# Altium PCB norbi_lm_#1.PcbDoc (part 5 of 5) (continued)
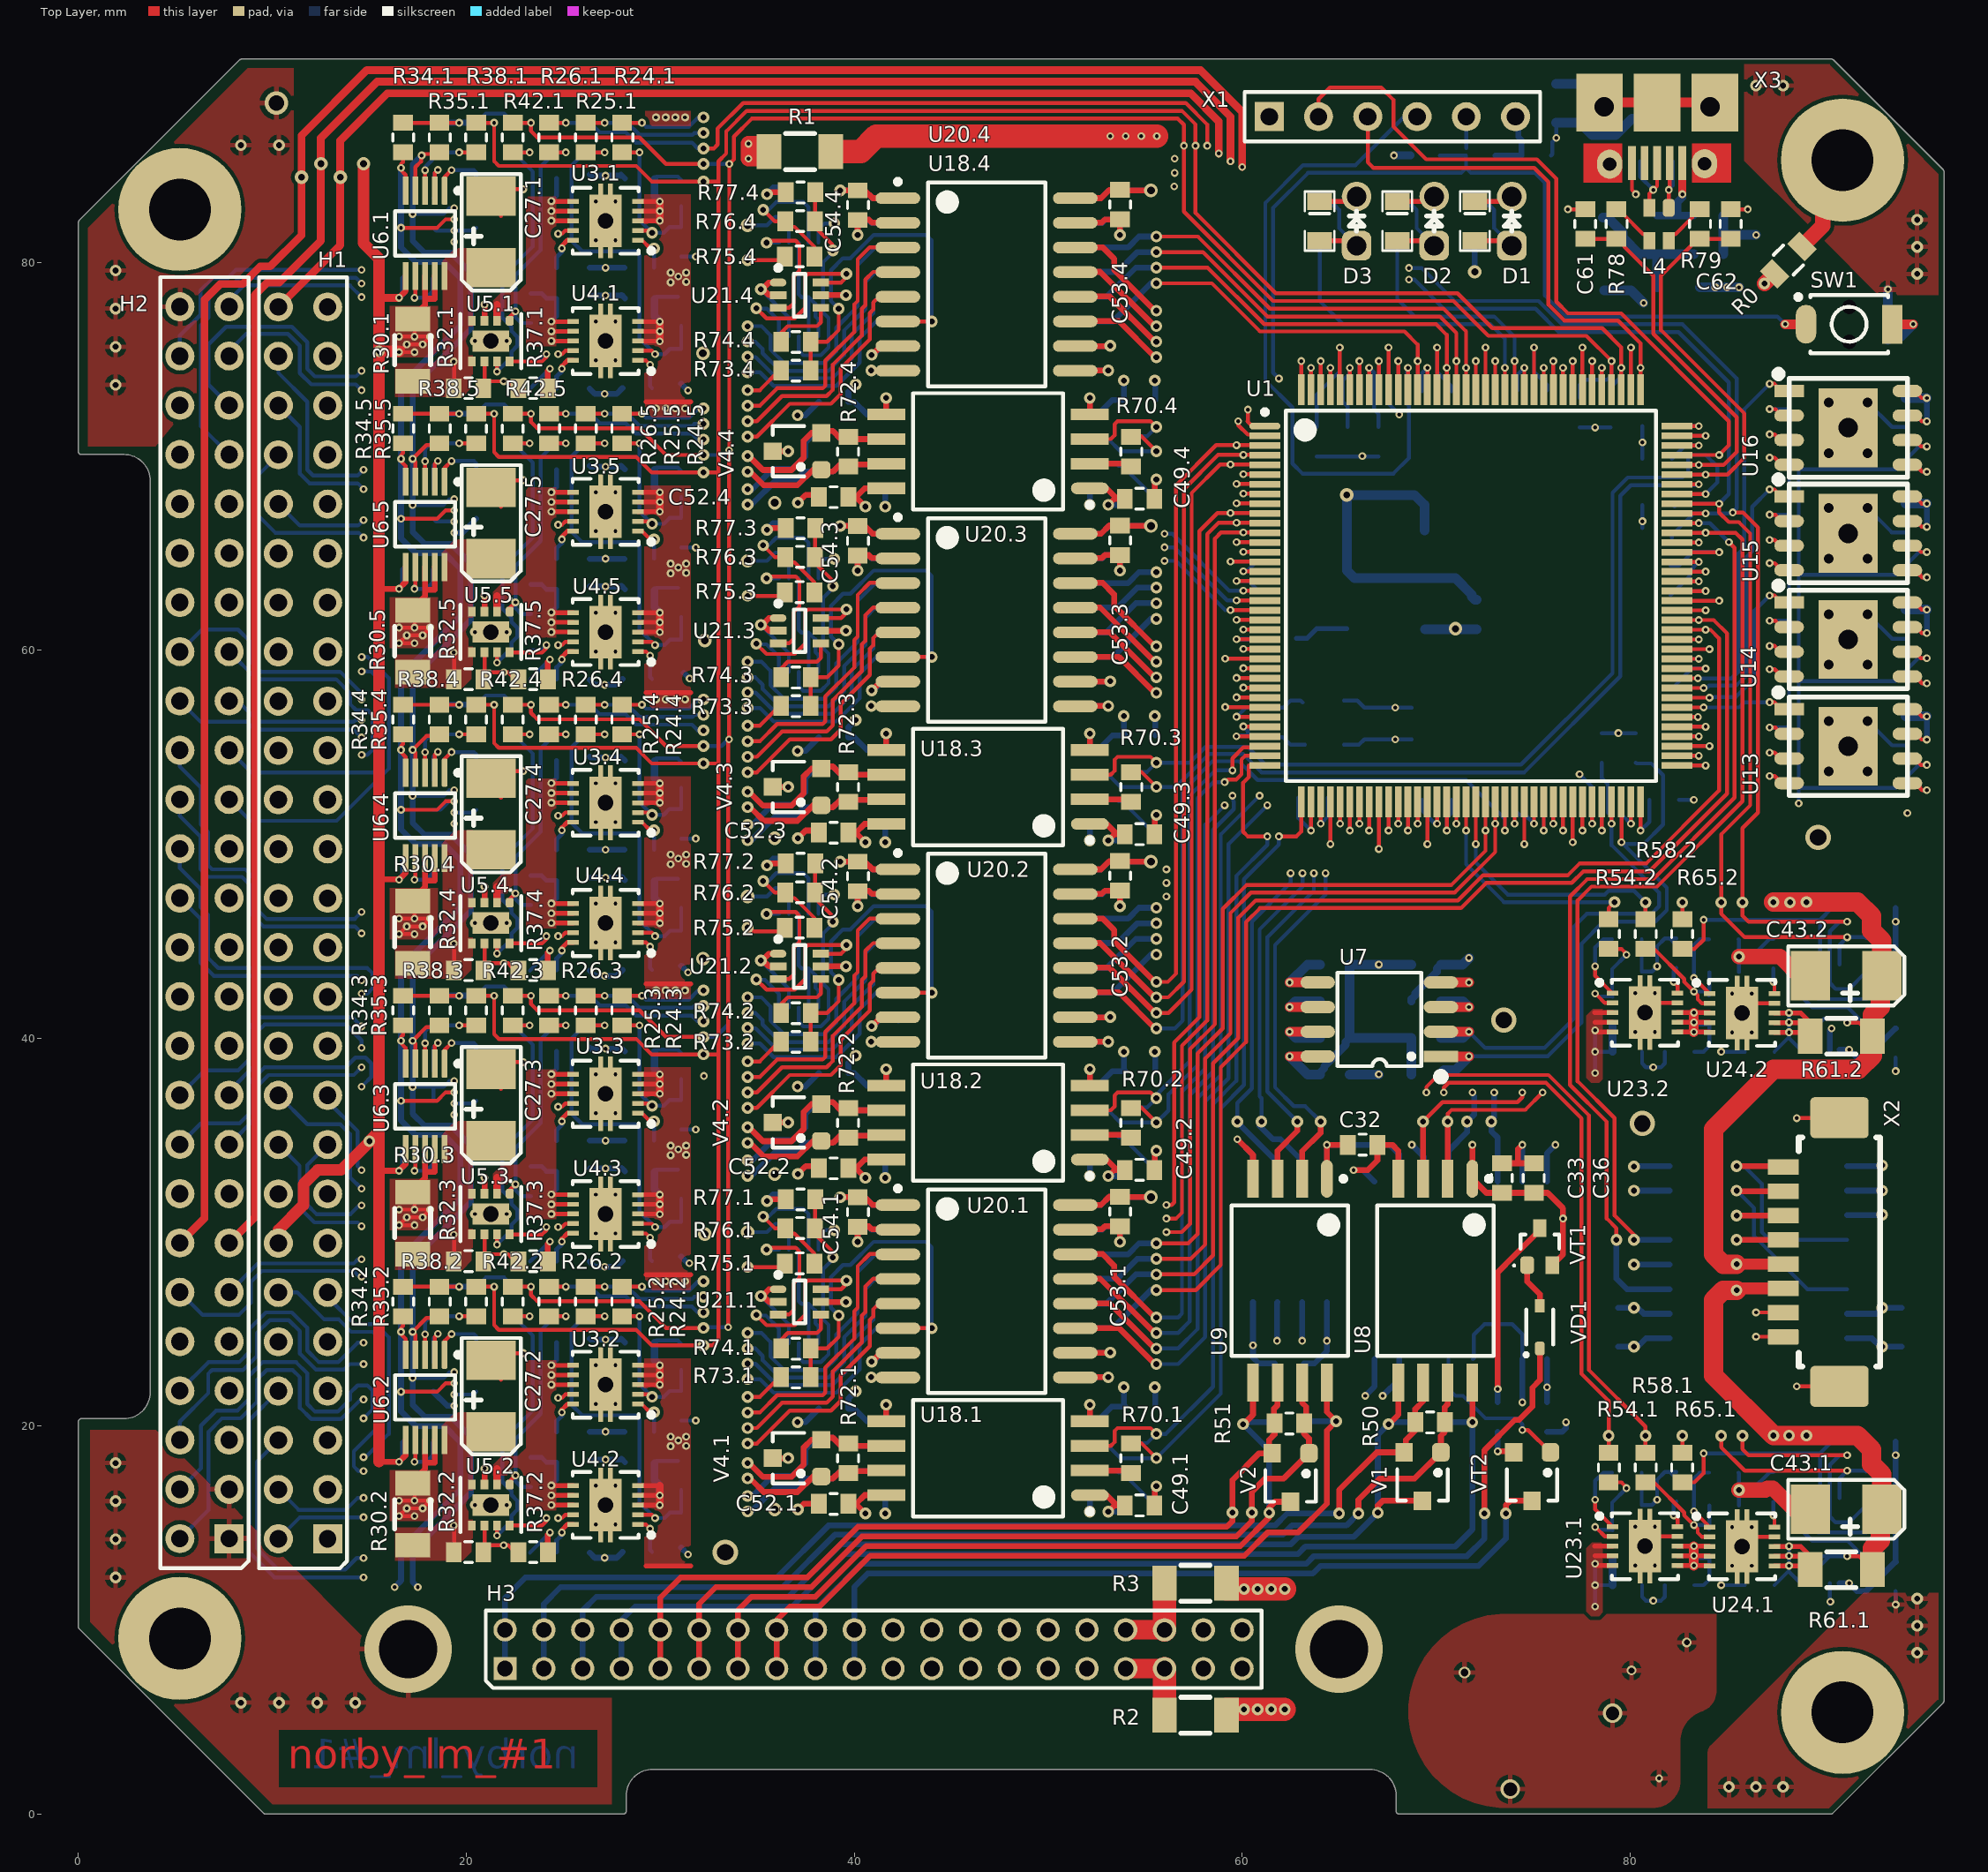
[diagram p0: Top Layer view]
## Nets (pads, with @x,y where several pads share a name; then routed paths per layer and width w, separated by ;. In a path a pad name is that pad's centre, name@x,y a point inside that pad or via, vN(x,y) a via of type N, cw(c..) or ccw(c..) an arc to the next point about the centre after c; other vN are vias at no path point) (continued)
  Top Layer w0.3: v2@85.35,32.14 v2@85.39,32.1 ; v2@85.54,32.1 X2.7@87.9,32.1
  Bottom Layer w0.2: v2(85.5,32.14) 86.4,31.24 86.4,29.8 89.14,27.06 U2.14@91.2,27.06
UART_TX_PL1.1A: R70.1.2 U1.36 U17.1.2 | length 44.5
  Top Layer w0.2: 52.15,18.98 53.23,18.98 53.423,19.173 53.423,19.745 53.578,19.9 55.278,19.9 v2(55.578,19.6) ; U1.36@61.175,54.05 60.34,54.05 60.34,53.452 60.05,53.162 60.05,50.64 60.29,50.4 v1(61.3,50.4)
  Bottom Layer w0.2: 54.7,19.124 55.102,19.124 v2(55.578,19.6) 56.072,19.6 58.5,22.028 58.5,36.6 59.7,37.8 59.7,48.36 61.3,49.96 v1(61.3,50.4)
UART_TX_PL1.1B: R70.2.2 U1.34 U17.2.2 | length 27
  Top Layer w0.2: 52.15,36.28 53.23,36.28 53.423,36.473 53.423,37.045 53.578,37.2 55.278,37.2 v2(55.578,36.9) ; v1(59.5,53.8) 59.5,54.423 60.072,54.995 61.12,54.995 U1.34@61.175,55.05
  Bottom Layer w0.2: 54.7,36.424 55.102,36.424 v2(55.578,36.9) ; v2@55.614,36.864 55.7,36.95 55.7,37.2 57.3,38.8 57.3,52.5 58.6,53.8 v1(59.5,53.8)
UART_TX_PL1.2: R70.3.2 U1.101 U17.3.2 | length 50.8
  Top Layer w0.2: 52.15,53.58 53.23,53.58 53.423,53.773 53.423,54.345 53.578,54.5 55.278,54.5 v2(55.578,54.2) ; U1.101@82.425,68.05 v1(83.9,68.05)
  Bottom Layer w0.2: 54.7,53.724 55.102,53.724 v2(55.578,54.2) 57.3,54.2 58.11,55.01 60.29,55.01 61.2,54.1 74.385,54.1 79.1,58.815 79.1,68.116 79.884,68.9 82.7,68.9 83,69.2 83,69.925 83.136,70.061 83.9,70.061 84.5,69.461 84.5,68.65 v1(83.9,68.05)
UART_TX_PL2: R70.4.2 U1.77 U17.4.2 | length 60.6
  Top Layer w0.2: 52.15,70.88 53.23,70.88 53.423,71.073 53.423,71.645 53.578,71.8 55.278,71.8 v2(55.578,71.5) ; U1.77@82.425,56.05 v1(83.9,56.05)
  Signal Layer 2 w0.2: v2(55.578,71.5) 55.578,71.535 55.86,71.817 55.86,72.138 62.122,78.4 72.8,78.4 74.2,77 80.8,77 86.6,71.2 86.6,58.077 84.573,56.05 v1(83.9,56.05)
  Bottom Layer w0.2: 54.7,71.024 55.102,71.024 v2(55.578,71.5)
UART_TX_PLDCR_LM: U1.96 U2.3 | length 51.8
  Top Layer w0.2: v2(79.3,29.6) 79.3,30.2 78.8,30.7 78.8,35.688 76.9,37.588 76.9,47.3 77.8,48.2 81.2,48.2 85.39,52.39 85.39,65.276 v1(85.1,65.566) ; U1.96@82.425,65.55 v1(83.55,65.55) ; 82.425,66.55 v1(83.55,66.55)
  Bottom Layer w0.2: v1(83.55,66.55) 84.116,66.55 v1(85.1,65.566)
  Bottom Layer w0.3: v2(79.3,29.6) 79.3,27.6 79.84,27.06 U2.3@82.05,27.06
UART_TX_PLDCR_PL: U2.12 X2.8 | length 11.1
  Top Layer w0.3: v2(85.5,33.4) 87.85,33.4 X2.8@87.9,33.35
  Bottom Layer w0.2: v2@85.3,33.4 v2@85.683,33.4 ; 85.883,33.4 86.8,32.483 86.8,30 87.2,29.6 U2.12@91.2,29.6
USB_Case: L5.1 X3.0 | length 8.9
  Top Layer w0.5: X3.0@78.425,88.225 X3.0@81.4,88.225 X3.0@84.375,88.225
  Bottom Layer w0.5: L5.1@76.2,89.2 77.475,89.2 X3.0@78.675,88
USB_D_N: C62.2 R79.1 U1.103 | length 19.4
  Top Layer w0.2: U1.103@82.425,69.05 v1(83.9,69.05) 85.025,69.05 85.9,69.925 85.9,72.195 81.6,76.495 81.6,79.302 83.498,81.2 R79.1@83.6,81.2 C62.2@85.2,81.2
USB_D_P: C61.2 R78.1 U1.104 | length 18.2
  Top Layer w0.2: C61.2@77.7,81.2 R78.1@79.3,81.2 ; R78.1@79.7,81.1 79.7,80.8 81.2,79.3 81.2,76.3 85.5,72 85.5,70.219 84.831,69.55 v1(83.55,69.55) U1.104@82.425,69.55
V_ROW_1: C27.1.1 R30.1.2 R32.1.2 R33.1.2 U5.1.4 U5.1.5 U6.1.10 | length 2.7
  Top Layer w0.2: R32.1.2@19.378,73.612 v1@19.378,74.882
  Bottom Layer w0.2: R33.1.2@19.354,73.512 v1(19.354,74.878) v1@19.378,74.902
V_ROW_2: C27.2.1 R30.2.2 R32.2.2 R33.2.2 U5.2.4 U5.2.5 U6.2.10 | length 2.7
  Top Layer w0.2: R32.2.2@19.378,13.612 v1@19.378,14.882
  Bottom Layer w0.2: R33.2.2@19.354,13.512 v1(19.354,14.878) v1@19.378,14.902
V_ROW_3: C27.3.1 R30.3.2 R32.3.2 R33.3.2 U5.3.4 U5.3.5 U6.3.10 | length 2.7
  Top Layer w0.2: R32.3.2@19.378,28.612 v1@19.378,29.882
  Bottom Layer w0.2: R33.3.2@19.354,28.512 v1(19.354,29.878) v1@19.378,29.902
V_ROW_4: C27.4.1 R30.4.2 R32.4.2 R33.4.2 U5.4.4 U5.4.5 U6.4.10 | length 2.7
  Top Layer w0.2: R32.4.2@19.378,43.612 v1@19.378,44.882
  Bottom Layer w0.2: R33.4.2@19.354,43.512 v1(19.354,44.878) v1@19.378,44.902
V_ROW_5: C27.5.1 R30.5.2 R32.5.2 R33.5.2 U5.5.4 U5.5.5 U6.5.10 | length 2.7
  Top Layer w0.2: R32.5.2@19.378,58.612 v1@19.378,59.882
  Bottom Layer w0.2: R33.5.2@19.354,58.512 v1(19.354,59.878) v1@19.378,59.902
VB_SW_1: C23.1.2 C25.1.2 R31.1.2 U3.1.6 U3.1.7 U3.1.8 U4.1.6 U4.1.7 U4.1.8 U5.1.2 | length 11.5
  Top Layer w0.24: v1(24.386,75.933) U4.1.8@25.507,75.933 ; v1(24.386,76.433) U4.1.7@25.507,76.433 ; v1@24.386,76.933 U4.1.6@25.507,76.933 ; v1(24.386,82.133) U3.1.8@25.507,82.133 ; v1(24.386,82.633) U3.1.7@25.507,82.633 ; v1@24.386,83.133 U3.1.6@25.507,83.133
  Top Layer w0.4: U5.1.2@21.587,76.982 21.587,77.792
  Bottom Layer w0.24: R31.1.2@23.332,78.385 23.881,78.385 24.132,78.134 C25.1.2@24.654,78.134 24.654,77.213 v1(24.386,76.945) ; v1(24.386,83.145) 24.654,83.413 C23.1.2@24.654,84.312
VB_SW_2: C23.2.2 C25.2.2 R31.2.2 U3.2.6 U3.2.7 U3.2.8 U4.2.6 U4.2.7 U4.2.8 U5.2.2 | length 11.5
  Top Layer w0.24: v1(24.386,15.933) U4.2.8@25.507,15.933 ; v1(24.386,16.433) U4.2.7@25.507,16.433 ; v1@24.386,16.933 U4.2.6@25.507,16.933 ; v1(24.386,22.133) U3.2.8@25.507,22.133 ; v1(24.386,22.633) U3.2.7@25.507,22.633 ; v1@24.386,23.133 U3.2.6@25.507,23.133
  Top Layer w0.4: U5.2.2@21.587,16.982 21.587,17.792
  Bottom Layer w0.24: R31.2.2@23.332,18.385 23.881,18.385 24.132,18.134 C25.2.2@24.654,18.134 24.654,17.213 v1(24.386,16.945) ; v1(24.386,23.145) 24.654,23.413 C23.2.2@24.654,24.312
VB_SW_3: C23.3.2 C25.3.2 R31.3.2 U3.3.6 U3.3.7 U3.3.8 U4.3.6 U4.3.7 U4.3.8 U5.3.2 | length 11.5
  Top Layer w0.24: v1(24.386,30.933) U4.3.8@25.507,30.933 ; v1(24.386,31.433) U4.3.7@25.507,31.433 ; v1@24.386,31.933 U4.3.6@25.507,31.933 ; v1(24.386,37.133) U3.3.8@25.507,37.133 ; v1(24.386,37.633) U3.3.7@25.507,37.633 ; v1@24.386,38.133 U3.3.6@25.507,38.133
  Top Layer w0.4: U5.3.2@21.587,31.982 21.587,32.792
  Bottom Layer w0.24: R31.3.2@23.332,33.385 23.881,33.385 24.132,33.134 C25.3.2@24.654,33.134 24.654,32.213 v1(24.386,31.945) ; v1(24.386,38.145) 24.654,38.413 C23.3.2@24.654,39.312
VB_SW_4: C23.4.2 C25.4.2 R31.4.2 U3.4.6 U3.4.7 U3.4.8 U4.4.6 U4.4.7 U4.4.8 U5.4.2 | length 11.5
  Top Layer w0.24: v1(24.386,45.933) U4.4.8@25.507,45.933 ; v1(24.386,46.433) U4.4.7@25.507,46.433 ; v1@24.386,46.933 U4.4.6@25.507,46.933 ; v1(24.386,52.133) U3.4.8@25.507,52.133 ; v1(24.386,52.633) U3.4.7@25.507,52.633 ; v1@24.386,53.133 U3.4.6@25.507,53.133
  Top Layer w0.4: U5.4.2@21.587,46.982 21.587,47.792
  Bottom Layer w0.24: R31.4.2@23.332,48.385 23.881,48.385 24.132,48.134 C25.4.2@24.654,48.134 24.654,47.213 v1(24.386,46.945) ; v1(24.386,53.145) 24.654,53.413 C23.4.2@24.654,54.312
VB_SW_5: C23.5.2 C25.5.2 R31.5.2 U3.5.6 U3.5.7 U3.5.8 U4.5.6 U4.5.7 U4.5.8 U5.5.2 | length 11.5
  Top Layer w0.24: v1(24.386,60.933) U4.5.8@25.507,60.933 ; v1(24.386,61.433) U4.5.7@25.507,61.433 ; v1@24.386,61.933 U4.5.6@25.507,61.933 ; v1(24.386,67.133) U3.5.8@25.507,67.133 ; v1(24.386,67.633) U3.5.7@25.507,67.633 ; v1@24.386,68.133 U3.5.6@25.507,68.133
  Top Layer w0.4: U5.5.2@21.587,61.982 21.587,62.792
  Bottom Layer w0.24: R31.5.2@23.332,63.385 23.881,63.385 24.132,63.134 C25.5.2@24.654,63.134 24.654,62.213 v1(24.386,61.945) ; v1(24.386,68.145) 24.654,68.413 C23.5.2@24.654,69.312
VBAT: C21.1.2 C21.2.2 C21.3.2 C21.4.2 C21.5.2 C22.1.2 C22.2.2 C22.3.2 C22.4.2 C22.5.2 C38.1.2 C38.2.2 R1.2 R2.2 R3.2 R21.1.1 R21.2.1 R21.3.1 R21.4.1 R21.5.1 R27.1.1 R27.2.1 R27.3.1 R27.4.1 R27.5.1 R53.1.2 R53.2.2 U3.1.3 U3.1.4 U3.1.5 U3.2.3 U3.2.4 U3.2.5 U3.3.3 U3.3.4 U3.3.5 U3.4.3 U3.4.4 U3.4.5 U3.5.3 U3.5.4 U3.5.5 U4.1.3 U4.1.4 U4.1.5 U4.2.3 U4.2.4 U4.2.5 U4.3.3 U4.3.4 U4.3.5 U4.4.3 U4.4.4 U4.4.5 U4.5.3 U4.5.4 U4.5.5 U23.1.3 U23.1.4 U23.1.5 U23.2.3 U23.2.4 U23.2.5 | length 110.9
  Top Layer w0.24: U4.2.3@28.857,15.933 v1@29.978,15.933 ; U4.2.4@28.857,16.433 v1(29.978,16.433) ; U4.2.5@28.857,16.933 29.978,16.933 ; U3.2.3@28.857,22.133 v1(29.978,22.133) ; U3.2.4@28.857,22.633 v1(29.978,22.633) ; U3.2.5@28.857,23.133 v1(29.978,23.133) ; U4.3.3@28.857,30.933 v1@29.978,30.933 ; U4.3.4@28.857,31.433 v1(29.978,31.433) ; U4.3.5@28.857,31.933 v1(29.978,31.933) ; U3.3.3@28.857,37.133 v1(29.978,37.133) ; U3.3.4@28.857,37.633 v1(29.978,37.633) ; U3.3.5@28.857,38.133 v1(29.978,38.133) ; U4.4.3@28.857,45.933 v1@29.978,45.933 ; U4.4.4@28.857,46.433 v1(29.978,46.433) ; U4.4.5@28.857,46.933 v1(29.978,46.933) ; U3.4.3@28.857,52.133 v1(29.978,52.133) ; U3.4.4@28.857,52.633 v1(29.978,52.633) ; U3.4.5@28.857,53.133 v1(29.978,53.133) ; U4.5.3@28.857,60.933 v1@29.978,60.933 ; U4.5.4@28.857,61.433 v1(29.978,61.433) ; U4.5.5@28.857,61.933 v1(29.978,61.933) ; U3.5.3@28.857,67.133 v1(29.978,67.133) ; U3.5.4@28.857,67.633 v1(29.978,67.633) ; U3.5.5@28.857,68.133 v1(29.978,68.133) ; U4.1.3@28.857,75.933 v1@29.978,75.933 ; U4.1.4@28.857,76.433 v1(29.978,76.433) ; U4.1.5@28.857,76.933 v1(29.978,76.933) ; U3.1.3@28.857,82.133 v1(29.978,82.133) ; U3.1.4@28.857,82.633 v1(29.978,82.633) ; U3.1.5@28.857,83.133 v1(29.978,83.133)
  Top Layer w0.25: 29.259,12.8 31.565,12.8 ; 29.259,27.8 31.565,27.8 ; 29.259,42.8 31.565,42.8 ; 29.259,57.8 31.565,57.8 ; 29.259,72.8 31.565,72.8 ; 78.173,13.812 U23.1.3@79.1,13.812 ; 78.173,41.312 U23.2.3@79.1,41.312 ; v1(78.2,12.9) 78.288,12.812 U23.1.5@79.1,12.812 ; 78.2,13.312 U23.1.4@79.1,13.312 ; v1(78.2,40.4) 78.288,40.312 U23.2.5@79.1,40.312 ; 78.2,40.812 U23.2.4@79.1,40.812
  Top Layer w0.4: v1@29.978,15.933 v1(29.978,16.433) 29.978,16.933 ; v1(29.978,22.133) v1(29.978,22.633) v1(29.978,23.133) ; v1@29.978,30.933 v1(29.978,31.433) v1(29.978,31.933) ; v1(29.978,37.133) v1(29.978,37.633) v1(29.978,38.133) ; v1@29.978,45.933 v1(29.978,46.433) v1(29.978,46.933) ; v1(29.978,52.133) v1(29.978,52.633) v1(29.978,53.133) ; v1@29.978,60.933 v1(29.978,61.433) v1(29.978,61.933) ; v1(29.978,67.133) v1(29.978,67.633) v1(29.978,68.133) ; v1@29.978,75.933 v1(29.978,76.433) v1(29.978,76.933) ; v1(29.978,82.133) v1(29.978,82.633) v1(29.978,83.133)
  Top Layer w0.6: R1.2@35.2,86.1 R1.2@35.6,85.7 R1.2@35.233,85.333
  Top Layer w0.8: R1.2@35.2,86.1 v1(34.553,86.1) v1(34.553,85.333) R1.2@35.233,85.333
  Top Layer w1.2: R3.2@59.2,11.6 v2(60.1,11.6) v2(60.8,11.6) v2(61.5,11.6) v2(62.2,11.6) ; R2.2@59.207,5.4 v2(60.1,5.4) v2(60.8,5.4) v2(61.5,5.4) v2@62.157,5.4
  Power Layer w0.8: 31.067,83 33,83 34.553,84.553 v1(34.553,85.333) v1(34.553,86.1)
  Bottom Layer w0.2: C22.2.2@29.678,24.312 29.702,24.288 C22.2.2@29.702,24.312 29.802,24.412 30.902,24.412 R21.2.1@31.078,24.236 ; C22.3.2@29.678,39.312 29.702,39.288 C22.3.2@29.702,39.312 29.802,39.412 30.902,39.412 R21.3.1@31.078,39.236 ; C22.4.2@29.678,54.312 29.702,54.288 C22.4.2@29.702,54.312 29.802,54.412 30.902,54.412 R21.4.1@31.078,54.236 ; C22.5.2@29.678,69.312 29.702,69.288 C22.5.2@29.702,69.312 29.802,69.412 30.902,69.412 R21.5.1@31.078,69.236 ; C22.1.2@29.678,84.312 29.702,84.288 C22.1.2@29.702,84.312 29.802,84.412 30.902,84.412 R21.1.1@31.078,84.236 ; C21.2.2@29.802,18.212 R27.2.1@30.902,18.212 ; C21.3.2@29.802,33.212 R27.3.1@30.902,33.212 ; C21.4.2@29.802,48.212 R27.4.1@30.902,48.212 ; C21.5.2@29.802,63.212 R27.5.1@30.902,63.212 ; C21.1.2@29.802,78.212 R27.1.1@30.902,78.212 ; v1(78.2,10.7) v1(78.2,11.8) ; v1@78.2,13 v1(78.2,12.9) v1(78.2,11.8) ; v1(78.2,38.2) v1(78.2,39.3) ; v1@78.2,40.5 v1(78.2,40.4) v1(78.2,39.3) ; C38.1.2@79.1,11.8 v1(78.2,11.8) ; C38.2.2@79.1,39.3 v1(78.2,39.3)
  Bottom Layer w0.4: C21.2.2@29.702,18.088 29.702,17.209 29.978,16.933 v1(29.978,16.433) ; C22.2.2@29.702,24.288 29.702,23.409 v1(29.978,23.133) ; C21.3.2@29.702,33.088 29.702,32.209 v1(29.978,31.933) ; C22.3.2@29.702,39.288 29.702,38.409 v1(29.978,38.133) ; C21.4.2@29.702,48.088 29.702,47.209 v1(29.978,46.933) ; C22.4.2@29.702,54.288 29.702,53.409 v1(29.978,53.133) ; C21.5.2@29.702,63.088 29.702,62.209 v1(29.978,61.933) ; C22.5.2@29.702,69.288 29.702,68.409 v1(29.978,68.133) ; C21.1.2@29.702,78.088 29.702,77.209 v1(29.978,76.933) ; C22.1.2@29.702,84.288 29.702,83.409 v1(29.978,83.133) ; C38.1.2@79.1,11.8 R53.1.2@79.1,13.1 ; C38.2.2@79.1,39.3 R53.2.2@79.1,40.6
  other v1: 29.978,15.922 30.532,18.961 31.332,18.983 30.932,19.261 30.532,19.461 31.332,19.461 29.778,27.461 30.278,27.461 30.778,27.461 31.278,27.461 29.978,30.922 30.532,33.961 31.332,33.983 30.932,34.261 30.532,34.461 31.332,34.461 29.778,42.461 30.278,42.461 30.778,42.461 31.278,42.461 29.978,45.922 30.532,48.961 31.332,48.983 30.932,49.261 30.532,49.461 31.332,49.461 29.778,57.461 30.278,57.461 30.778,57.461 31.278,57.461 29.978,60.922 30.532,63.961 31.332,63.983 30.932,64.261 30.532,64.461 31.332,64.461 29.778,72.461 30.278,72.461 30.778,72.461 31.278,72.461 29.978,75.922 30.532,78.961 31.332,78.983 30.932,79.261 30.532,79.461 31.332,79.461 29.778,87.461 30.278,87.461 30.778,87.461 31.278,87.461
  other v2: 62.2,5.4
VBAT1: H3.33 H3.35 R2.1 | length 4.7
  Top Layer w1: H3.33@54,7.5 H3.35@56,7.5
  Top Layer w1.2: R2.1@56,4.8 H3.35@56,7.5
VBAT2: H3.34 H3.36 R3.1 | length 4.4
  Top Layer w1: H3.34@54,9.5 H3.36@56,9.5
  Top Layer w1.2: H3.36@56,9.5 R3.1@56,11.9
pads on no net: H1.27 H1.28 H1.29 H1.30 H1.31 H1.32 H1.33 H1.34 H1.35 H1.36 H1.37 H1.38 H1.47 H1.49 H1.51 H2.43 H2.48 H3.29 H3.30 H3.31 H3.32 SW1.MH1 SW1.MH2 U1.7 U1.8 U1.9 U1.29 U1.40 U1.41 U1.42 U1.43 U1.44 U1.45 U1.46 U1.47 U1.48 U1.73 U1.85 U1.86 U1.98 U1.110 U1.113 U1.116 U1.117 U1.118 U1.119 U1.134 U2.6 U2.13 U11.6 U11.13 X3.4
copper on no net: | length 33.7
  Top Layer w0.2: v1(59.716,57.566) 61.191,57.566 ; v1(59.716,67.566) 61.191,67.566 ; v1(59.716,68.566) 61.191,68.566 ; v1(60.066,68.066) 61.191,68.066 ; v1(64.55,50) 64.55,52.175 ; v1(65.05,51.05) 65.05,52.175 ; v1(65.55,50.7) 65.55,52.175 ; v1(66.05,51.05) 66.05,52.175 ; v1(66.55,50.7) 66.55,52.175 ; v1(67.05,49.75) 67.05,52.175 ; v1(67.55,50.7) 67.55,52.175 ; v1(68.05,51.05) 68.05,52.175 ; 68.05,73.425 v1(68.05,74.9) ; v1(68.55,50.7) 68.55,52.175 ; 75.55,73.425 v1(75.55,74.55) ; 76.05,73.425 v1(76.05,74.9) ; 76.55,73.425 v1(76.55,74.55) ; 77.05,73.425 v1(77.05,74.9) ; 78.55,73.425 v1(78.55,74.55) ; 80.05,73.425 v1(80.05,75.6) ; 82.425,54.05 v1(83.9,54.05) ; 82.425,60.05 v1(84.1,60.05) ; 82.425,60.55 v1(83.55,60.55)

## Polygon pours and split planes (outlines as drawn)
GND on Top Layer " " (solid, pour order 227): 95.905,84.547 90.305,90.147 90.305,90.195 85.9,90.195 85.9,85.223 92.63,78.492 ccw(c93.107,78.969) 93.107,78.295 95.905,78.295
GND on Top Layer " " (solid, pour order 225): 90.252,0.3 95.852,5.9 95.9,5.9 95.9,11.4 92.023,11.4 84.197,3.575 ccw(c84.674,3.098) 84,3.098 84,0.3
GND on Top Layer " " (solid, pour order 223): 0.5,70.507 0.5,81.77 8.73,90 11.1,90 11.1,79.25 3.981,70.495
GND on Top Layer " " (solid, pour order 221): 0.6,19.788 0.6,9.9 10,0.5 27.5,0.5 27.5,5.983 27.487,5.996 16.873,5.996 16.873,6.927 4,19.8
GND on Top Layer "Logo" (solid, pour order 219): 81.191,0.32 ccw(c81.191,1.72) 82.591,1.72 82.591,3.761 cw(c84.191,3.761) 83.678,5.276 ccw(c83.313,6.353) 84.45,6.353 84.45,10.32 73.611,10.32 ccw(c73.611,5.3) 68.591,5.3 ccw(c73.571,5.3) 73.571,0.32
VBAT on Top Layer " " (solid, pour order 203): 78.088,41.5 78.6,41.5 78.6,40.1 78.6,37.89 78.41,37.7 78,37.7 77.75,37.95 77.75,41.162
no net on Top Layer " " (solid, pour order 193): 35.578,87.7
VBAT on Top Layer " " (solid, pour order 179): 78.04,14 78.6,14 78.6,12.6 78.6,12.3 78.6,10.4 78.4,10.2 78,10.2 77.75,10.45 77.75,13.71
V_ROW_1 on Top Layer " " (solid, pour order 163): 20.332,80.712 19.412,80.712 18.774,80.073 18.783,75.269 18.291,74.776 16.332,74.776 16.332,73.061 19.808,73.061 20.332,73.585
VB_SW_1 on Top Layer "Top Layer-VB_SW_2" (solid, pour order 168): 23.078,75.661 24.632,75.661 24.632,83.385 23.078,83.385 23.078,78.874 22.665,78.461 21.834,78.461 21.378,78.005 21.378,77.46 23.022,77.46 23.078,77.403
3V3 on Top Layer " " (solid, pour order 173): 16.054,77.732 16.054,75.1 18.188,75.1 18.539,75.451 18.539,77.732
VBAT on Top Layer " " (solid, pour order 148): 31.578,72.885 31.578,83.487 29.178,83.487 29.178,72.885
VBAT on Top Layer " " (solid, pour order 153): 29.232,87.012 29.232,87.785 31.578,87.785 31.578,87.012
V_ROW_4 on Top Layer " " (solid, pour order 162): 20.332,50.712 19.412,50.712 18.774,50.073 18.783,45.269 18.291,44.776 16.332,44.776 16.332,43.061 19.808,43.061 20.332,43.585
VB_SW_4 on Top Layer "Top Layer-VB_SW_2" (solid, pour order 167): 23.078,45.661 24.632,45.661 24.632,53.385 23.078,53.385 23.078,48.874 22.665,48.461 21.834,48.461 21.378,48.005 21.378,47.46 23.022,47.46 23.078,47.403
5V_PL1.2 on Top Layer " " (solid, pour order 172): 16.054,47.732 16.054,45.1 18.188,45.1 18.539,45.451 18.539,47.732
VBAT on Top Layer " " (solid, pour order 147): 31.578,42.885 31.578,53.487 29.178,53.487 29.178,42.885
VBAT on Top Layer " " (solid, pour order 152): 29.232,57.012 29.232,57.785 31.578,57.785 31.578,57.012
V_ROW_5 on Top Layer " " (solid, pour order 161): 20.332,65.712 19.412,65.712 18.774,65.073 18.783,60.269 18.291,59.776 16.332,59.776 16.332,58.061 19.808,58.061 20.332,58.585
VB_SW_5 on Top Layer "Top Layer-VB_SW_2" (solid, pour order 166): 23.078,60.661 24.632,60.661 24.632,68.385 23.078,68.385 23.078,63.874 22.665,63.461 21.834,63.461 21.378,63.005 21.378,62.46 23.022,62.46 23.078,62.403
5V_PL2 on Top Layer " " (solid, pour order 171): 16.054,62.732 16.054,60.1 18.188,60.1 18.539,60.451 18.539,62.732
VBAT on Top Layer " " (solid, pour order 146): 31.578,57.885 31.578,68.487 29.178,68.487 29.178,57.885
VBAT on Top Layer " " (solid, pour order 151): 29.232,72.012 29.232,72.785 31.578,72.785 31.578,72.012
V_ROW_3 on Top Layer " " (solid, pour order 160): 20.332,35.712 19.412,35.712 18.774,35.073 18.783,30.269 18.291,29.776 16.332,29.776 16.332,28.061 19.808,28.061 20.332,28.585
VB_SW_3 on Top Layer "Top Layer-VB_SW_2" (solid, pour order 165): 23.078,30.661 24.632,30.661 24.632,38.385 23.078,38.385 23.078,33.874 22.665,33.461 21.834,33.461 21.378,33.005 21.378,32.46 23.022,32.46 23.078,32.403
5V_PL1.1B on Top Layer " " (solid, pour order 170): 16.054,32.732 16.054,30.1 18.188,30.1 18.539,30.451 18.539,32.732
VBAT on Top Layer " " (solid, pour order 145): 31.578,27.885 31.578,38.487 29.178,38.487 29.178,27.885
VBAT on Top Layer " " (solid, pour order 150): 29.232,42.012 29.232,42.785 31.578,42.785 31.578,42.012
VBAT on Top Layer " " (solid, pour order 149): 29.232,27.012 29.232,27.785 31.578,27.785 31.578,27.012
VBAT on Top Layer " " (solid, pour order 144): 31.578,12.885 31.578,23.487 29.178,23.487 29.178,12.885
5V_PL1.1А on Top Layer " " (solid, pour order 169): 16.054,17.732 16.054,15.1 18.188,15.1 18.539,15.451 18.539,17.732
VB_SW_2 on Top Layer "Top Layer-VB_SW_2" (solid, pour order 164): 23.078,15.661 24.632,15.661 24.632,23.385 23.078,23.385 23.078,18.874 22.665,18.461 21.834,18.461 21.378,18.005 21.378,17.46 23.022,17.46 23.078,17.403
V_ROW_2 on Top Layer " " (solid, pour order 159): 20.332,20.712 19.412,20.712 18.774,20.073 18.783,15.269 18.291,14.776 16.332,14.776 16.332,13.061 19.808,13.061 20.332,13.585
GND on Power Layer " " (solid, pour order 211): 90.252,0.3 68.5,0.3 68.5,3 27.5,3 27.5,0.5 10,0.5 0.6,9.9 0.6,19.788 3.988,19.788 4,19.8 4,70.495 0.5,70.495 0.5,81.9 8.6,90 90.2,90 95.9,84.3 95.9,5.9
3V3 on Power Layer "Power Layer-3V3" (solid, pour order 209): 14.461,74.933 18.4,74.933 18.4,76.5 16,76.5 16,88 19.532,88 49.5,88 49.5,83 56,83 56,85 52,85 52,89.5 14.469,89.5 14.469,76.507
VBAT on Power Layer "Power Layer-VBAT" (solid, pour order 201): 66.5,11 67.25,10.25 78.45,10.25 78.8,10.6 78.8,13.312 78.8,40.6 78.5,40.9 77.6,40.9 77.3,40.6 77.3,15.3 76.2,14.2 62.7,14.2 34.432,14.2 31.578,17.054 31.578,18.661 31.578,27.712 29.178,27.712 29.178,18.772 29.178,12.422 30.8,10.8 56.8,10.8 56.8,5.9 58.7,4 63.2,4 63.5,4.3 63.5,6.1 62.4,7.2 62.4,9.9 63.5,11
5V_PL2 on Power Layer " " (solid, pour order 177): 14.3,59.878 13.417,60.761 6.93,60.761 4,63.69 4,69.6 6.061,71.661 14.339,71.661 16,70 16,59.878
5V_PL1.2 on Power Layer " " (solid, pour order 176): 6.158,50.688 6.158,46.292 9.55,42.9 13.62,42.9 16,45.28 16,51.68 13.58,54.1 9.57,54.1
5V_PL1.1B on Power Layer " " (solid, pour order 175): 6.884,17.626 9.65,17.626 9.65,20.55 12,22.9 14.007,22.9 16.083,24.976 16.083,31.2 6.9,31.2 6,30.3 6,18.51
5V_PL1.1А on Power Layer " " (solid, pour order 174): 16,15.1 16,22.52 12.32,22.52 11.6,21.8 11.6,17.5 12.85,17.5 12.85,16.54 14.29,15.1
VBAT on Power Layer " " (solid, pour order 158): 29.178,78.661 31.578,78.661 31.578,87.712 29.178,87.712
VBAT on Power Layer " " (solid, pour order 157): 29.178,48.661 31.578,48.661 31.578,57.712 29.178,57.712
VBAT on Power Layer " " (solid, pour order 156): 29.178,63.661 31.578,63.661 31.578,72.712 29.178,72.712
VBAT on Power Layer " " (solid, pour order 155): 29.178,33.661 31.578,33.661 31.578,42.712 29.178,42.712
GND on Bottom Layer " " (solid, pour order 239): 90.252,0.3 95.852,5.9 95.9,5.9 95.9,12.2 92.823,12.2 84.197,3.575 ccw(c84.674,3.098) 84,3.098 84,0.3
GND on Bottom Layer " " (solid, pour order 237): 95.905,84.547 90.305,90.147 90.305,90.195 85.9,90.195 85.9,85.223 92.63,78.492 ccw(c93.107,78.969) 93.107,78.295 95.905,78.295
GND on Bottom Layer " " (solid, pour order 235): 0.5,70.507 0.5,81.77 8.73,90 11.1,90 11.1,79.25 3.981,70.495
GND on Bottom Layer " " (solid, pour order 229): 0.6,19.788 0.6,9.9 10,0.5 27.5,0.5 27.5,5.983 27.487,5.996 16.873,5.996 16.873,6.927 4,19.8
GND on Signal Layer 1 " " (solid, pour order 215): 90.252,0.3 68.5,0.3 68.5,3 27.5,3 27.5,0.5 10,0.5 0.6,9.9 0.6,19.788 3.988,19.788 4,19.8 4,70.495 0.5,70.495 0.5,81.9 8.6,90 90.2,90 95.9,84.3 95.9,5.9
GND on Signal Layer 2 " " (solid, pour order 217): 90.252,0.3 68.5,0.3 68.5,3 27.5,3 27.5,0.5 10,0.5 0.6,9.9 0.6,19.788 3.988,19.788 4,19.8 4,70.495 0.5,70.495 0.5,81.9 8.6,90 90.2,90 95.9,84.3 95.9,5.9
GND on GND Plane (split plane): 95.68,84.511 95.68,70.237 95.651,70.237 95.65,70.235 95.68,70.235 95.68,70.234 95.68,5.989 90.201,0.51 68.453,0.51 68.453,0.893 68.459,0.892 68.483,0.95 68.453,0.95 68.453,0.952 68.455,0.974 68.454,0.982 68.453,0.997 68.446,1.132 68.419,1.313 68.375,1.49 68.313,1.662 68.235,1.827 68.141,1.983 68.033,2.13 67.91,2.265 67.775,2.388 67.628,2.496 67.472,2.59 67.307,2.668 67.135,2.73 66.958,2.774 66.777,2.801 66.599,2.81 66.595,2.81 29.595,2.81 29.591,2.81 29.413,2.801 29.232,2.774 29.055,2.73 28.883,2.668 28.718,2.59 28.562,2.496 28.415,2.388 28.28,2.265 28.157,2.13 28.049,1.983 27.955,1.827 27.877,1.662 27.815,1.49 27.771,1.313 27.744,1.132 27.735,0.954 27.735,0.95 27.735,0.51 9.799,0.51 0.51,9.799 0.51,19.875 2.35,19.875 2.354,19.875 2.532,19.884 2.713,19.911 2.89,19.955 3.062,20.017 3.227,20.095 3.383,20.189 3.53,20.297 3.665,20.42 3.788,20.555 3.896,20.702 3.99,20.858 4.068,21.023 4.13,21.195 4.174,21.372 4.201,21.553 4.21,21.728 4.21,21.733 4.21,21.734 4.21,21.735 4.21,68.735 4.21,68.739 4.201,68.917 4.174,69.098 4.13,69.275 4.068,69.447 3.99,69.612 3.896,69.768 3.788,69.915 3.665,70.05 3.53,70.173 3.383,70.281 3.227,70.375 3.062,70.453 2.89,70.515 2.713,70.559 2.532,70.586 2.354,70.595 2.35,70.595 0.51,70.595 0.51,81.901 8.569,89.96 76.498,89.96 76.498,84 76.498,83.9 76.506,83.861 76.528,83.828 76.928,83.428 76.961,83.406 77,83.398 86.022,83.398 86.061,83.406 86.095,83.428 86.472,83.805 86.494,83.839 86.502,83.878 86.502,89.96 90.231,89.96
USB_Case on GND Plane (split plane): 86.298,83.92 85.98,83.602 77.042,83.602 76.702,83.942 76.702,84 76.702,89.96 86.298,89.96

## Other copper
Top Layer:
  text "norby_lm_#1" at 10.8,2.354 h1.52
Bottom Layer:
  text "norby_lm_#1" at 25.788,2.354 h1.52
GND Plane (plane layer: these items are gaps in the copper):
  lines w0.2: 76.6,90.47 76.6,84 76.6,83.9 77,83.5 86.022,83.5 86.4,83.878 86.4,90.02 86.1,90.32

## Silkscreen, mask and mechanical layers (free items; w line width, h text height)
Bottom Overlay:
  lines w0.2: 86.7,4.4 86.7,7.8 88.4,9.5 93.5,9.5 94.5,10.5 94.5,15.1
Top Solder:
  drawing of 2081 lines, arcs and shapes, not listed
  text "norby_lm_#1" at 10.8,2.4 h1.52
Bottom Solder:
  text "norby_lm_#1" at 25.788,2.4 h1.52
Mechanical 1:
  lines w0.3: 68.093,0.152 68.093,0.95 ; 68.093,0.171 68.095,0.15 90.35,0.15 96.04,5.84 96.04,70.235 96.04,84.66 90.38,90.32 68.095,90.32 8.42,90.32 0.15,82.05 0.15,70.235 2.35,70.235 cw(c2.35,68.735) 3.85,68.735 3.85,21.735 cw(c2.35,21.735) 2.35,20.235 0.15,20.235 0.15,9.65 9.65,0.15 28.095,0.15 28.095,0.95 cw(c29.595,0.95) 29.595,2.45 66.595,2.45 cw(c66.595,0.95) 68.095,0.95
Mechanical 2:
  lines w0.1: 83.65,1.42 83.65,2.32
Mechanical 3:
  lines w0.2: 7.77,16.74 7.77,14.2 12.85,14.2 12.85,16.74 ; 62.9,50 80.5,50

## Dimensions
0,0 to 96.19,5.84 on Mechanical 3
9.65,0 to 90.38,90.47 on Mechanical 3